# KiCad board 8851_HW-U1-VCU118_REV2-0_071417.kicad_pcb (continued)
## Routing (per net, layer and track width the routed paths; a pad name or vN(x,y) marks a point on that pad's centre or on a via; arc(x,y) is an arc through that point) (continued)
FMCP_HSPC_DP21_C2M_N: length 161.7
  TOP w0.102: J22.Y7 v3(97.75,153.25)
  TOP w0.113: 134.58,84 v2(135.08,84.49)
  03_SIG1 w0.107: 135.26,88.73 135.2,88.67 arc(135.16,88.62) 135.15,88.56 arc(135.08,88.21) 134.88,87.92 134.77,87.8 arc(134.71,87.71) 134.68,87.59 134.68,84.27 arc(134.89,84.31) 134.72,84.2 134.78,84.13 arc(134.82,84.11) 134.86,84.1 134.97,84.1 arc(135.04,84.13) 135.08,84.21 v2(135.08,84.49)
  03_SIG1 w0.15: 135.26,88.73 135.26,97.96 arc(135.29,98.15) 135.4,98.3 arc(135.64,98.66) 135.72,99.09 135.72,101.6 arc(135.78,101.87) 135.93,102.09 136.05,102.21 arc(136.41,102.76) 136.54,103.4 136.54,109.27 arc(136.7,110.08) 137.16,110.77 137.65,111.25 arc(138.07,111.89) 138.22,112.64 138.22,124.89 arc(138.24,124.99) 138.3,125.08 138.63,125.41 arc(138.81,125.53) 139.02,125.58 139.2,125.58 arc(139.87,125.85) 140.14,126.51 arc(140.43,127.21) 141.13,127.5 143,127.5 arc(143.14,127.47) 143.25,127.4 143.43,127.22 arc(143.46,127.18) 143.48,127.15 arc(143.5,127.09) 143.51,127.03 143.51,124.85 arc(144.72,125.35) 144.22,124.14 144.38,124.14 arc(144.92,124.36) 145.14,124.9 145.14,128.47 arc(145.23,128.7) 145.46,128.79 147.8,128.79 arc(148.46,129.45) 147.8,130.11 144.89,130.11 arc(145.21,130.42) 144.89,130.74 146.24,130.74 arc(146.89,131.4) 146.24,132.06 145.46,132.06 arc(146.16,133.75) 144.47,133.05 144.47,133.34 arc(144.53,133.68) 144.72,133.97 145.57,134.82 145.57,134.85 arc(145.69,135.36) 145.46,135.83 145.28,136.01 arc(144.7,136.25) 144.11,136.01 143.95,135.85 arc(143.58,135.6) 143.15,135.51 142.62,135.51 arc(142.32,135.57) 142.06,135.74 141.95,135.85 arc(144.16,137.33) 141.56,136.81 arc(141.39,137.66) 140.91,138.37 140.07,139.21 arc(140.71,139.47) 140.07,139.74 140.49,140.16 arc(140.49,141.16) 139.49,141.16 139.07,140.75 arc(138.8,140.64) 138.54,140.75 129.16,150.13 arc(131,151.36) 128.83,150.93 128.82,151.27 arc(128.58,151.85) 128,152.09 124.24,152.09 arc(123.65,151.84) 123.4,151.25 123.4,150.79 arc(123.32,150.6) 123.14,150.53 122.54,150.53 arc(122.82,151.19) 122.15,150.92 122.15,151.43 arc(122.11,151.64) 121.99,151.82 arc(121.69,152.02) 121.33,152.09 119.25,152.09 arc(118.79,152.18) 118.4,152.44 114.68,156.16 arc(113.83,156.72) 112.83,156.92 110.73,156.92 arc(109.87,156.75) 109.15,156.27 109.09,156.21 arc(108.1,155.55) 106.92,155.31 98.93,155.31 arc(98.4,155.1) 98.19,154.58 98.19,153.51 arc(98.11,153.33) 97.93,153.25 v3(97.75,153.25)
FMCP_HSPC_DP21_C2M_P: length 196.8
  TOP w0.102: J22.Y6 v3(99,153.25)
  TOP w0.113: v2(135.08,83.51) 134.58,83.01
  03_SIG1 w0.107: v2(135.08,83.51) 135.08,83.79 arc(135.04,83.87) 134.97,83.9 134.86,83.9 arc(134.74,83.92) 134.64,83.99 134.57,84.06 arc(135.08,84.39) 134.48,84.27 134.48,87.59 arc(134.52,87.78) 134.63,87.94 134.74,88.06 arc(134.9,88.29) 134.95,88.56 134.95,88.59 arc(134.93,88.68) 134.88,88.76
  03_SIG1 w0.15: 134.88,88.76 134.88,88.89 arc(134.83,89.02) 134.7,89.07 arc(134.8,89.3) 134.56,89.21 134.56,89.53 arc(134.6,89.63) 134.7,89.67 arc(134.83,89.72) 134.88,89.85 134.88,90.09 arc(134.83,90.22) 134.7,90.27 134.67,90.27 arc(134.79,90.57) 134.49,90.45 134.49,90.69 arc(134.54,90.82) 134.67,90.87 134.7,90.87 arc(134.83,90.92) 134.88,91.05 134.88,97.96 arc(136.52,97.64) 135.13,98.57 arc(135.29,98.81) 135.35,99.09 135.35,101.6 arc(137.41,101.19) 135.66,102.36 135.78,102.48 arc(136.07,102.9) 136.16,103.4 136.16,109.27 arc(140.97,108.31) 136.9,111.03 137.38,111.52 arc(137.73,112.03) 137.85,112.64 137.85,124.89 arc(137.9,125.14) 138.03,125.34 138.37,125.68 arc(138.67,125.88) 139.02,125.95 139.2,125.95 arc(139.6,126.12) 139.76,126.51 arc(140.16,127.48) 141.13,127.88 143,127.88 arc(143.28,127.82) 143.52,127.66 143.7,127.48 arc(143.76,127.4) 143.82,127.31 arc(143.87,127.17) 143.89,127.03 143.89,124.85 arc(144.46,125.09) 144.22,124.52 144.38,124.52 arc(144.65,124.63) 144.77,124.9 144.77,128.47 arc(144.97,128.97) 145.46,129.17 147.8,129.17 arc(148.08,129.45) 147.8,129.73 144.89,129.73 arc(145.59,130.42) 144.89,131.12 146.24,131.12 arc(146.52,131.4) 146.24,131.68 145.46,131.68 arc(146.43,134.02) 144.09,133.05 144.09,133.34 arc(146.53,132.86) 144.46,134.24 144.53,134.31 145.2,134.98 arc(145.23,135.01) 145.26,135.05 arc(145.32,135.32) 145.2,135.56 145.02,135.74 arc(144.7,135.87) 144.38,135.74 144.22,135.58 arc(143.73,135.25) 143.15,135.14 142.62,135.14 arc(142.17,135.23) 141.8,135.48 141.69,135.59 arc(144.51,137.47) 141.18,136.81 arc(141.04,137.51) 140.64,138.11 139.81,138.94 arc(141.09,139.47) 139.81,140 140.23,140.42 arc(140.23,140.9) 139.75,140.9 139.33,140.48 arc(138.8,140.26) 138.27,140.48 128.89,149.86 arc(131.35,151.5) 128.45,150.93 128.45,151.27 arc(128.32,151.58) 128,151.71 124.24,151.71 arc(123.91,151.58) 123.78,151.25 123.78,150.79 arc(123.59,150.34) 123.14,150.15 122.54,150.15 arc(123.08,151.46) 121.78,150.92 121.78,151.43 arc(121.76,151.49) 121.72,151.55 arc(121.55,151.67) 121.33,151.71 119.25,151.71 arc(118.65,151.83) 118.13,152.18 114.42,155.89 arc(113.69,156.38) 112.83,156.55 110.73,156.55 arc(110.02,156.41) 109.41,156 109.36,155.95 arc(108.24,155.2) 106.92,154.94 98.93,154.94 arc(98.67,154.83) 98.56,154.58 98.56,153.38 arc(98.79,153.48) 98.69,153.25 v3(99,153.25)
FMCP_HSPC_DP21_M2C_N: length 191.2
  TOP w0.102: J22.M11 v3(92.75,169.5)
  TOP w0.113: 133.6,86.95 v2(134.09,87.44)
  TOP w0.375: v2(139.01,47.09) U1.BA46
  05_SIG2 w0.107: v2(134.09,87.44) 134.09,87.16 arc(134.28,87.24) 134.2,87.05 134.3,87.05 arc(134.42,87.1) 134.47,87.23 134.47,88.4 arc(134.46,88.49) 134.41,88.56 134.4,88.57
  05_SIG2 w0.15: 134.4,88.57 134.4,88.85 arc(134.31,89.26) 134.08,89.6 133.98,89.7 arc(133.79,90) 133.72,90.34 133.72,90.81 arc(133.68,90.92) 133.57,90.96 arc(133.68,91.21) 133.43,91.11 133.43,91.56 arc(133.47,91.67) 133.57,91.71 arc(133.68,91.75) 133.72,91.86 133.72,96.01 arc(133.79,96.4) 134.01,96.72 arc(134.08,96.83) 134.11,96.95 134.11,99.79 arc(133.72,101.73) 132.62,103.38 132.52,103.48 arc(132.44,103.56) 132.36,103.65 arc(138.28,107.2) 131.49,105.96 131.49,109.26 arc(131.74,110.52) 132.46,111.59 arc(132.56,111.75) 132.6,111.93 132.6,113.48 arc(133.64,113.28) 132.76,113.87 arc(133.03,114.27) 133.12,114.75 arc(136.28,114.12) 133.61,115.91 134.88,117.19 arc(135.04,117.42) 135.09,117.69 135.09,125.75 arc(135,126.23) 134.73,126.64 134.31,127.05 arc(133.96,127.58) 133.84,128.2 133.84,128.81 arc(133.76,129.01) 133.56,129.09 132.97,129.09 arc(133.46,130.26) 132.28,129.78 132.28,129.78 arc(132.49,130.27) 132.98,130.48 135.03,130.48 arc(135.31,130.76) 135.03,131.04 133.03,131.04 arc(133.52,132.22) 132.34,131.73 132.34,131.74 arc(132.54,132.23) 133.03,132.43 134.93,132.43 arc(135.07,132.49) 135.12,132.63 135.12,133 arc(135.07,133.14) 134.93,133.2 134.5,133.2 arc(134.96,134.33) 133.84,133.86 133.84,134.1 arc(133.04,138.11) 130.77,141.51 124.59,147.69 arc(123.94,148.12) 123.17,148.27 arc(122.29,148.45) 121.54,148.95 120.47,150.03 arc(122.53,151.4) 120.1,150.92 120.1,151.09 arc(119.88,151.63) 119.34,151.85 119,151.85 arc(118.79,151.89) 118.61,152.01 115.72,154.9 arc(120.15,157.86) 114.93,156.82 114.93,157.22 arc(114.85,157.58) 114.65,157.88 114.54,157.99 108.76,163.77 arc(112.64,166.37) 108.06,165.46 108.06,167.28 arc(107.87,168.23) 107.33,169.05 106.9,169.48 arc(106.35,169.85) 105.7,169.98 95.11,169.98 arc(94.9,169.89) 94.81,169.68 94.81,169.33 arc(94.62,168.88) 94.17,168.69 93.7,168.69 arc(94.06,169.56) 93.19,169.2 93.19,169.35 arc(93.14,169.46) 93.04,169.5 v3(92.75,169.5)
FMCP_HSPC_DP21_M2C_P: length 149.1
  TOP w0.102: J22.M10 v3(94,169.5)
  TOP w0.113: 133.6,85.97 v2(134.09,86.46)
  TOP w0.375: v2(138.03,47.09) U1.BA45
  05_SIG2 w0.107: 134.77,88.57 134.75,88.55 arc(134.7,88.47) 134.68,88.38 arc(135.33,88.32) 134.68,88.34 134.68,87.23 arc(134.56,86.96) 134.3,86.85 134.2,86.85 arc(134.12,86.82) 134.09,86.74 v2(134.09,86.46)
  05_SIG2 w0.15: v3(94,169.5) 93.79,169.5 arc(93.63,169.43) 93.56,169.27 93.56,169.2 arc(93.8,169.3) 93.7,169.06 94.17,169.06 arc(94.36,169.14) 94.44,169.33 94.44,169.68 arc(94.63,170.15) 95.11,170.35 105.7,170.35 arc(106.49,170.19) 107.16,169.74 107.59,169.31 arc(108.22,168.38) 108.44,167.28 108.44,165.46 arc(112.3,166.22) 109.02,164.04 114.16,158.9 114.92,158.14 arc(115.2,157.72) 115.3,157.23 115.3,156.82 arc(115.48,155.92) 115.98,155.17 118.87,152.28 arc(118.93,152.24) 119,152.23 119.34,152.23 arc(120.14,151.89) 120.47,151.09 120.47,150.92 arc(120.54,150.58) 120.73,150.29 121.81,149.22 arc(122.44,148.8) 123.17,148.65 arc(124.08,148.47) 124.85,147.95 131.03,141.78 arc(133.39,138.25) 134.21,134.1 134.21,133.86 arc(134.7,134.06) 134.5,133.58 134.93,133.58 arc(135.33,133.41) 135.5,133 135.5,132.63 arc(135.33,132.22) 134.93,132.05 133.03,132.05 arc(132.81,131.96) 132.71,131.74 132.71,131.73 arc(133.26,131.96) 133.03,131.42 135.03,131.42 arc(135.68,130.76) 135.03,130.1 132.98,130.1 arc(132.75,130.01) 132.66,129.78 132.66,129.78 arc(133.19,130) 132.97,129.47 133.56,129.47 arc(134.02,129.27) 134.21,128.81 134.21,128.2 arc(134.31,127.72) 134.58,127.32 134.99,126.9 arc(135.34,126.38) 135.47,125.75 135.47,117.69 arc(135.39,117.28) 135.15,116.92 133.87,115.65 arc(135.93,114.27) 133.5,114.75 arc(133.38,114.13) 133.02,113.6 arc(133.3,113.42) 132.97,113.48 132.97,111.93 arc(132.91,111.6) 132.72,111.33 arc(132.09,110.38) 131.87,109.26 131.87,105.96 arc(132.07,104.86) 132.65,103.89 arc(132.71,103.82) 132.79,103.74 132.89,103.64 arc(134.07,101.88) 134.48,99.79 134.48,96.95 arc(134.43,96.68) 134.28,96.46 arc(134.14,96.25) 134.09,96.01 134.09,91.92 134.09,90.34 arc(135.11,90.54) 134.25,89.97 134.35,89.87 arc(134.66,89.4) 134.77,88.85 134.77,88.57
FMCP_HSPC_DP22_C2M_N: length 188.5
  TOP w0.102: J22.Z5 v3(100.25,154.5)
  TOP w0.113: 132.62,84 v2(133.11,84.49)
  03_SIG1 w0.107: v2(133.11,84.49) 133.11,84.21 arc(133.29,84.28) 133.21,84.1 133.35,84.1 arc(133.39,84.11) 133.42,84.13 133.47,84.18 arc(133.49,84.21) 133.5,84.25 133.5,87.95 arc(133.48,88.06) 133.41,88.16
  03_SIG1 w0.15: 133.41,88.16 133.41,89.87 arc(133.35,90.03) 133.19,90.09 133.04,90.09 arc(133.52,91.24) 132.37,90.76 132.37,90.79 arc(132.57,91.28) 133.06,91.48 133.43,91.48 arc(133.72,91.76) 133.43,92.04 132.88,92.04 arc(133.24,92.92) 132.37,92.56 132.37,92.74 arc(132.57,93.23) 133.06,93.43 133.43,93.43 arc(133.71,93.71) 133.43,93.99 132.88,93.99 arc(133.24,94.87) 132.37,94.51 132.37,94.69 arc(132.57,95.18) 133.06,95.38 133.49,95.38 arc(133.55,95.39) 133.61,95.43 arc(133.69,95.56) 133.72,95.71 133.72,96.59 arc(133.7,96.7) 133.64,96.8 133.37,97.07 arc(135.08,98.22) 133.06,97.82 133.06,98.06 arc(133.13,98.43) 133.35,98.75 133.65,99.06 arc(133.82,99.31) 133.88,99.62 133.88,102.74 arc(136.72,102.17) 134.31,103.78 134.44,103.9 arc(134.77,104.4) 134.89,104.99 134.89,107.43 arc(134.82,107.78) 134.62,108.09 134.49,108.21 arc(136.69,109.67) 134.1,109.16 134.1,110.85 arc(138.89,109.9) 134.83,112.62 arc(134.99,112.85) 135.04,113.13 135.04,123.53 arc(135.15,124.06) 135.45,124.51 136.64,125.7 arc(136.87,126.04) 136.95,126.44 136.95,128.92 arc(137.18,129.49) 137.75,129.73 138.05,129.73 arc(138.3,129.68) 138.51,129.54 arc(138.67,129.3) 138.72,129.02 138.72,128.6 arc(139.21,128.8) 139.01,128.31 arc(139.37,128.38) 139.67,128.58 140.79,129.7 arc(140.91,129.87) 140.95,130.09 140.95,130.78 arc(140.86,131) 140.64,131.09 140.28,131.09 arc(140.1,131.01) 140.03,130.83 140.03,130.47 arc(139.84,130.03) 139.41,129.85 139.23,129.85 arc(139.76,131.12) 138.49,130.59 138.49,130.68 arc(138.41,130.88) 138.21,130.96 137.8,130.96 arc(138.49,131.66) 137.8,132.35 140.67,132.35 arc(141.06,132.52) 141.23,132.91 141.23,133 arc(141.12,133.26) 140.86,133.37 137.71,133.37 arc(138.15,134.43) 137.09,133.99 137.09,137.19 arc(138.71,136.87) 137.34,137.79 arc(137.78,137.97) 138.22,137.79 138.51,137.5 arc(138.66,137.28) 138.71,137.01 138.71,135.19 arc(139.24,135.41) 139.02,134.88 139.22,134.88 arc(139.47,134.98) 139.57,135.22 139.57,137.09 arc(139.5,137.42) 139.31,137.7 133.12,143.9 arc(132.97,143.99) 132.81,144.03 arc(132.8,144.03) 132.8,144.03 arc(132.37,144.12) 132,144.36 128.27,148.1 arc(127.35,148.71) 126.27,148.92 122.56,148.92 arc(122.3,148.82) 122.19,148.55 122.19,148.43 arc(121.97,147.91) 121.45,147.69 121.32,147.69 arc(120.99,147.76) 120.72,147.94 113.56,155.1 arc(113.51,155.14) 113.45,155.17 113.08,155.3 arc(113.03,155.32) 112.99,155.32 112.89,155.32 arc(112.8,155.28) 112.75,155.18 112.75,154.15 arc(112.06,154.84) 111.37,154.15 111.37,155.04 arc(111.28,155.24) 111.09,155.32 110.78,155.32 arc(110.69,155.3) 110.62,155.25 arc(111.4,154.73) 110.48,154.91 110.48,154.31 arc(110.29,153.87) 109.86,153.69 101.36,153.69 arc(101,153.84) 100.84,154.19 100.83,154.19 100.82,154.35 arc(100.77,154.46) 100.66,154.5 v3(100.25,154.5)
FMCP_HSPC_DP22_C2M_P: length 172.9
  TOP w0.102: J22.Z4 v3(101.5,154.5)
  TOP w0.113: v2(133.11,83.51) 132.62,83.01
  03_SIG1 w0.107: v2(133.11,83.51) 133.11,83.79 arc(133.14,83.87) 133.21,83.9 133.35,83.9 arc(133.46,83.92) 133.56,83.99 133.61,84.03 arc(133.68,84.13) 133.7,84.25 133.7,87.95 arc(134.27,87.84) 133.79,88.16
  03_SIG1 w0.15: 133.79,88.16 133.79,89.87 arc(133.61,90.29) 133.19,90.47 133.04,90.47 arc(133.25,90.97) 132.75,90.76 132.75,90.79 arc(132.84,91.01) 133.06,91.11 133.43,91.11 arc(134.09,91.76) 133.43,92.42 132.88,92.42 arc(132.98,92.65) 132.75,92.56 132.75,92.74 arc(132.84,92.96) 133.06,93.06 133.43,93.06 arc(134.08,93.71) 133.43,94.37 132.88,94.37 arc(132.98,94.6) 132.75,94.51 132.75,94.69 arc(132.84,94.91) 133.06,95.01 133.49,95.01 arc(133.7,95.05) 133.88,95.17 arc(134.04,95.41) 134.1,95.71 134.1,96.59 arc(134.05,96.85) 133.9,97.06 133.63,97.34 arc(133.48,97.56) 133.43,97.82 133.43,98.06 arc(133.48,98.29) 133.61,98.49 133.92,98.79 arc(134.17,99.17) 134.26,99.62 134.26,102.74 arc(136.37,102.32) 134.58,103.52 134.7,103.64 arc(135.12,104.26) 135.26,104.99 135.26,107.43 arc(135.16,107.93) 134.88,108.35 134.76,108.47 arc(134.55,108.79) 134.48,109.16 134.48,110.85 arc(138.55,110.04) 135.1,112.35 arc(135.33,112.71) 135.42,113.13 135.42,123.53 arc(137.36,123.14) 135.71,124.24 136.91,125.43 arc(137.21,125.9) 137.32,126.44 137.32,128.92 arc(137.45,129.23) 137.75,129.35 138.05,129.35 arc(138.15,129.33) 138.24,129.27 arc(138.32,129.15) 138.35,129.02 138.35,128.6 arc(139.48,129.06) 139.01,127.93 arc(139.51,128.03) 139.94,128.32 141.05,129.43 arc(141.25,129.73) 141.32,130.09 141.32,130.78 arc(141.12,131.27) 140.64,131.47 140.28,131.47 arc(139.84,131.28) 139.65,130.83 139.65,130.47 arc(139.58,130.29) 139.41,130.22 139.23,130.22 arc(139.49,130.85) 138.86,130.59 138.86,130.68 arc(138.67,131.15) 138.21,131.34 137.8,131.34 arc(138.12,131.66) 137.8,131.98 140.67,131.98 arc(141.33,132.25) 141.6,132.91 141.6,133 arc(141.38,133.53) 140.86,133.75 137.71,133.75 arc(137.89,134.17) 137.47,133.99 137.47,137.2 arc(137.5,137.37) 137.6,137.52 arc(137.78,137.6) 137.95,137.52 138.24,137.24 arc(138.31,137.13) 138.33,137.01 138.33,135.19 arc(139.51,135.67) 139.02,134.5 139.22,134.5 arc(139.73,134.71) 139.94,135.22 139.94,137.09 arc(139.85,137.56) 139.58,137.97 133.38,144.17 arc(133.12,144.34) 132.81,144.4 132.8,144.4 arc(132.51,144.46) 132.27,144.63 128.53,148.36 arc(127.49,149.06) 126.27,149.3 122.56,149.3 arc(122.03,149.08) 121.81,148.55 121.81,148.43 arc(121.71,148.17) 121.45,148.07 121.32,148.07 arc(121.14,148.1) 120.98,148.2 113.82,155.37 arc(113.71,155.45) 113.59,155.52 113.21,155.65 arc(113.1,155.69) 112.99,155.7 112.89,155.7 arc(112.53,155.54) 112.38,155.18 112.38,154.15 arc(112.06,154.47) 111.74,154.15 111.74,155.04 arc(111.55,155.5) 111.09,155.7 110.78,155.7 arc(110.55,155.65) 110.35,155.52 arc(110.32,155.49) 110.29,155.46 arc(111.38,154.73) 110.1,154.99 110.1,154.31 arc(110.03,154.14) 109.86,154.06 101.36,154.06 arc(101.26,154.11) 101.22,154.2 arc(101.21,154.21) 101.21,154.21 101.21,154.3 arc(101.27,154.44) 101.42,154.5 v3(101.5,154.5)
FMCP_HSPC_DP22_M2C_N: length 219.3
  TOP w0.102: J22.M7 v3(97.75,169.5)
  TOP w0.113: 131.63,86.95 v2(132.12,87.44)
  05_SIG2 w0.107: v2(132.12,87.44) 132.12,87.16 arc(132.31,87.24) 132.23,87.05 132.3,87.05 arc(132.6,86.93) 132.72,86.63 132.72,86.27 arc(132.61,85.98) 132.32,85.86 129.96,85.86 arc(130.26,86.57) 129.55,86.27 129.55,88.05 arc(130.28,87.9) 129.66,88.32 arc(129.69,88.36) 129.7,88.41 129.7,88.8 arc(129.68,88.92) 129.61,89.02 129.61,89.04
  05_SIG2 w0.15: v3(97.75,169.5) 97.88,169.37 arc(98.11,169.03) 98.19,168.64 98.19,163.59 98.19,163.17 arc(99.39,163.41) 98.37,162.73 98.48,162.62 arc(98.68,162.49) 98.92,162.44 105.79,162.44 arc(105.89,162.42) 105.97,162.37 106.31,162.02 arc(106.37,161.94) 106.39,161.84 106.39,159.34 arc(110.68,160.19) 107.04,157.76 108.49,156.3 arc(109.25,155.8) 110.14,155.62 110.26,155.62 arc(110.73,155.53) 111.14,155.26 111.67,154.73 arc(111.75,154.53) 111.67,154.33 111.14,153.81 arc(112.33,153.32) 111.14,152.83 arc(111.63,152.63) 112.12,152.83 112.65,153.35 arc(113.04,153.35) 113.04,152.96 112.52,152.43 arc(113.71,151.94) 112.52,151.45 arc(113.01,151.25) 113.5,151.45 114.03,151.97 arc(114.42,151.97) 114.42,151.58 113.9,151.05 arc(115.08,150.56) 113.9,150.07 arc(114.39,149.87) 114.88,150.07 115.4,150.6 arc(115.8,150.6) 115.8,150.2 115.28,149.67 arc(116.46,149.18) 115.28,148.69 arc(115.77,148.49) 116.26,148.69 116.78,149.22 arc(117.18,149.22) 117.18,148.82 116.66,148.3 arc(117.84,147.81) 116.66,147.31 arc(117.15,147.11) 117.64,147.31 118.16,147.84 arc(118.36,147.92) 118.56,147.84 119.17,147.22 arc(119.77,146.34) 119.97,145.29 119.97,142.46 arc(126.05,143.67) 120.9,140.23 121.24,139.89 arc(122.04,138.69) 122.32,137.28 122.32,134.28 arc(125.92,134.99) 122.87,132.95 122.87,132.95 arc(123.34,132.63) 123.89,132.53 126.25,132.53 arc(126.4,132.46) 126.46,132.31 126.46,131.91 arc(126.44,131.82) 126.39,131.74 125.91,131.26 125.29,130.64 arc(126.57,130.11) 125.29,129.58 126.71,128.16 arc(126.85,127.95) 126.9,127.71 126.9,125.86 arc(128.04,126.08) 127.07,125.44 arc(128.37,123.5) 128.82,121.21 128.82,118.69 arc(133.82,119.69) 129.58,116.86 129.96,116.48 arc(130.19,116.14) 130.28,115.72 130.28,115.16 arc(130.25,115.04) 130.18,114.94 arc(129.97,114.62) 129.9,114.25 129.9,112.96 arc(129.88,112.84) 129.81,112.74 arc(135.03,109.25) 128.87,110.48 128.87,104.13 arc(132.55,104.86) 129.43,102.78 129.51,102.71 arc(129.63,102.52) 129.68,102.3 129.68,101.44 arc(129.66,101.34) 129.62,101.25 arc(130.48,100.67) 129.46,100.87 129.46,89.67 arc(129.5,89.47) 129.61,89.31 129.61,89.3 129.61,89.04
FMCP_HSPC_DP22_M2C_P: length 182.9
  TOP w0.102: J22.M6 v3(99,169.5)
  TOP w0.113: 131.63,85.97 v2(132.12,86.46)
  05_SIG2 w0.107: 129.99,89.04 129.99,89.02 arc(130.47,88.69) 129.9,88.8 129.9,88.41 arc(129.87,88.29) 129.8,88.18 arc(130.1,87.98) 129.75,88.05 129.75,86.27 arc(130.12,86.43) 129.96,86.06 132.32,86.06 arc(132.46,86.12) 132.53,86.27 132.53,86.63 arc(132.46,86.79) 132.3,86.85 132.23,86.85 arc(132.15,86.82) 132.12,86.74 v2(132.12,86.46)
  05_SIG2 w0.15: v3(99,169.5) 98.71,169.5 arc(98.61,169.46) 98.56,169.35 98.56,163.59 98.56,163.59 98.56,163.17 arc(99.04,163.27) 98.64,163 98.75,162.89 arc(98.83,162.83) 98.92,162.81 105.79,162.81 arc(106.03,162.77) 106.23,162.63 106.58,162.28 arc(106.71,162.08) 106.76,161.84 106.76,159.34 arc(110.33,160.05) 107.31,158.02 108.76,156.57 arc(109.39,156.15) 110.14,156 110.26,156 arc(110.88,155.87) 111.41,155.52 111.93,155 arc(112.12,154.53) 111.93,154.07 111.41,153.55 arc(111.95,153.32) 111.41,153.1 arc(111.63,153) 111.86,153.1 112.38,153.62 arc(113.31,153.62) 113.31,152.69 112.79,152.17 arc(113.33,151.94) 112.79,151.72 arc(113.01,151.62) 113.24,151.72 113.76,152.24 arc(114.69,152.24) 114.69,151.31 114.16,150.79 arc(114.71,150.56) 114.16,150.34 arc(114.39,150.24) 114.62,150.34 115.14,150.86 arc(116.07,150.86) 116.07,149.93 115.54,149.41 arc(116.09,149.18) 115.54,148.96 arc(115.77,148.87) 115.99,148.96 116.52,149.48 arc(117.45,149.48) 117.45,148.55 116.92,148.03 arc(117.47,147.81) 116.92,147.58 arc(117.15,147.49) 117.37,147.58 117.9,148.1 arc(118.36,148.3) 118.82,148.1 119.44,147.49 arc(120.11,146.48) 120.35,145.29 120.35,142.46 arc(120.56,141.39) 121.17,140.49 121.5,140.15 arc(122.39,138.83) 122.69,137.28 122.69,134.28 arc(125.57,134.85) 123.13,133.22 123.14,133.21 arc(123.48,132.98) 123.89,132.9 126.25,132.9 arc(126.67,132.73) 126.84,132.31 126.84,132.06 arc(126.81,131.73) 126.64,131.45 125.56,130.38 arc(126.2,130.11) 125.56,129.85 126.98,128.43 arc(127.2,128.1) 127.28,127.71 127.28,125.86 arc(127.69,125.94) 127.34,125.71 arc(128.72,123.64) 129.2,121.21 129.2,118.69 arc(133.47,119.54) 129.85,117.12 130.23,116.75 arc(130.54,116.28) 130.65,115.72 130.65,115.16 arc(130.6,114.9) 130.45,114.67 arc(130.32,114.48) 130.28,114.25 130.28,112.96 arc(130.22,112.7) 130.07,112.47 arc(134.69,109.39) 129.25,110.48 129.25,104.13 arc(132.2,104.72) 129.7,103.05 129.77,102.97 arc(129.98,102.66) 130.05,102.3 130.05,101.37 arc(130.01,101.18) 129.9,101.01 arc(129.85,100.91) 129.84,100.8 129.84,93.44 arc(130.1,93.55) 129.99,93.29 arc(130.1,93.24) 130.15,93.13 130.15,92.84 arc(130.1,92.73) 129.99,92.69 arc(129.88,92.64) 129.84,92.53 129.84,92.24 arc(130.1,92.35) 129.99,92.09 arc(130.1,92.04) 130.15,91.93 130.15,91.64 arc(130.1,91.53) 129.99,91.49 arc(129.88,91.44) 129.84,91.33 129.84,89.67 arc(129.85,89.62) 129.88,89.58 arc(129.96,89.45) 129.99,89.3 129.99,89.04
FMCP_HSPC_DP23_C2M_N: length 188.3
  TOP w0.102: J22.Y3 v3(102.75,153.25)
  TOP w0.113: 130.65,84 v2(131.14,84.49)
  03_SIG1 w0.107: v2(131.14,84.49) 131.14,84.21 arc(131.32,84.28) 131.25,84.1 131.4,84.1 arc(131.44,84.11) 131.48,84.13 131.5,84.15 arc(131.52,84.19) 131.53,84.23 131.53,87.73 arc(131.51,87.84) 131.44,87.94
  03_SIG1 w0.15: v3(102.75,153.25) 103.01,153.25 arc(103.15,153.22) 103.28,153.14 arc(103.33,153.07) 103.34,152.98 103.34,152.86 arc(104.54,152.9) 103.35,152.79 arc(103.54,152.41) 103.94,152.26 114.23,152.26 arc(114.63,152.18) 114.96,151.96 120.62,146.3 arc(120.98,146.06) 121.4,145.98 122.35,145.98 arc(122.81,146.17) 123.01,146.63 123.01,147.2 arc(123.16,147.57) 123.53,147.73 125.51,147.73 arc(126.6,147.51) 127.52,146.9 130.71,143.7 131.83,142.58 133.81,140.6 arc(133.88,140.43) 133.81,140.27 133.66,140.12 arc(134.84,139.63) 133.66,139.14 arc(134.15,138.93) 134.64,139.14 135.19,139.68 arc(135.39,139.77) 135.59,139.68 136.38,138.89 arc(136.42,138.84) 136.43,138.78 136.43,138.59 arc(136.37,138.43) 136.21,138.37 134.22,138.37 arc(134.91,137.68) 134.22,136.98 135.41,136.98 arc(135.69,136.7) 135.41,136.42 134.22,136.42 arc(134.91,135.73) 134.22,135.03 135.41,135.03 arc(135.69,134.75) 135.41,134.47 134.22,134.47 arc(134.91,133.78) 134.22,133.08 135.41,133.08 arc(135.69,132.8) 135.41,132.52 134.22,132.52 arc(134.91,131.83) 134.22,131.13 135.41,131.13 arc(135.69,130.85) 135.41,130.57 133.87,130.57 arc(133.6,130.52) 133.37,130.36 arc(134.93,129.32) 133.09,129.69 133.09,127.72 arc(134.73,128.05) 133.34,127.12 arc(133.82,126.92) 134.29,127.12 134.4,127.23 arc(134.5,127.37) 134.53,127.55 134.53,128.88 arc(134.62,129.09) 134.83,129.18 135.41,129.18 arc(135.6,129.1) 135.69,128.9 135.69,126.59 arc(135.66,126.45) 135.58,126.33 134.35,125.1 arc(136.83,123.45) 133.91,124.03 133.91,123.91 arc(133.88,123.78) 133.81,123.67 133.79,123.65 arc(133.44,123.51) 133.1,123.65 arc(133.77,124.1) 132.98,123.94 132.98,124.73 arc(132.91,125.07) 132.72,125.36 arc(132.26,125.55) 131.81,125.36 arc(133.58,124.18) 131.5,124.59 131.5,122.93 arc(133.04,123.23) 131.73,122.36 arc(131.93,122.23) 132.17,122.18 133.63,122.18 arc(133.8,122.11) 133.87,121.94 133.87,115.67 arc(133.75,115.06) 133.4,114.54 132.77,113.92 arc(134.82,112.54) 132.4,113.03 132.4,111.08 arc(132.49,110.65) 132.73,110.29 arc(132.8,110.18) 132.83,110.04 132.83,109.01 arc(132.75,108.81) 132.55,108.73 131.54,108.73 arc(132.23,108.03) 131.54,107.34 132.62,107.34 arc(132.9,107.06) 132.62,106.78 131.54,106.78 arc(132.23,106.08) 131.54,105.39 132.58,105.39 arc(132.91,105.32) 133.19,105.14 133.23,105.09 arc(133.36,104.8) 133.23,104.5 arc(133.02,104.36) 132.77,104.31 132.04,104.31 arc(131.69,104.24) 131.4,104.04 131.28,103.92 arc(132.88,102.85) 130.99,103.23 130.99,103.06 arc(132.5,103.69) 131.88,102.18 132.09,102.18 arc(132.29,102.09) 132.37,101.9 132.37,101.8 arc(132.32,101.67) 132.19,101.61 131.88,101.61 arc(131.39,101.41) 131.18,100.92 131.18,89.05 arc(131.24,88.78) 131.39,88.55 arc(131.43,88.49) 131.44,88.43 131.44,87.94
FMCP_HSPC_DP23_C2M_P: length 167
  TOP w0.102: v3(104,153.25) J22.Y2
  TOP w0.113: v2(131.14,83.51) 130.65,83.01
  03_SIG1 w0.107: v2(131.14,83.51) 131.14,83.79 arc(131.17,83.87) 131.25,83.9 131.4,83.9 arc(131.52,83.92) 131.62,83.99 131.64,84.01 arc(131.71,84.11) 131.73,84.23 131.73,87.73 arc(132.31,87.61) 131.82,87.94
  03_SIG1 w0.15: v3(104,153.25) 103.79,153.04 arc(104.21,152.78) 103.72,152.84 arc(103.79,152.69) 103.94,152.64 114.23,152.64 arc(114.77,152.53) 115.23,152.22 120.88,146.57 arc(121.12,146.41) 121.4,146.35 122.35,146.35 arc(122.55,146.44) 122.63,146.63 122.63,147.2 arc(122.89,147.84) 123.53,148.1 125.51,148.1 arc(126.74,147.86) 127.78,147.16 130.97,143.97 132.1,142.84 134.08,140.86 arc(134.26,140.43) 134.08,140.01 133.92,139.85 arc(134.47,139.63) 133.92,139.4 arc(134.15,139.31) 134.38,139.4 134.92,139.95 arc(135.39,140.14) 135.85,139.95 136.65,139.15 arc(136.76,138.98) 136.8,138.78 136.8,138.59 arc(136.63,138.17) 136.21,137.99 134.22,137.99 arc(134.54,137.68) 134.22,137.36 135.41,137.36 arc(136.06,136.7) 135.41,136.04 134.22,136.04 arc(134.54,135.73) 134.22,135.41 135.41,135.41 arc(136.06,134.75) 135.41,134.09 134.22,134.09 arc(134.54,133.78) 134.22,133.46 135.41,133.46 arc(136.06,132.8) 135.41,132.14 134.22,132.14 arc(134.54,131.83) 134.22,131.51 135.41,131.51 arc(136.06,130.85) 135.41,130.19 133.87,130.19 arc(133.75,130.17) 133.64,130.1 arc(134.59,129.46) 133.47,129.69 133.47,127.72 arc(134.39,127.9) 133.61,127.38 arc(133.82,127.3) 134.03,127.38 134.13,127.49 arc(134.15,127.52) 134.16,127.55 134.16,128.88 arc(134.36,129.36) 134.83,129.56 135.41,129.56 arc(135.87,129.36) 136.06,128.9 136.06,126.59 arc(136.01,126.3) 135.85,126.07 135.06,125.28 134.62,124.84 arc(136.48,123.59) 134.28,124.03 134.28,123.91 arc(134.23,123.64) 134.08,123.41 134.05,123.39 arc(133.44,123.13) 132.83,123.39 arc(134.12,124.25) 132.6,123.94 132.6,124.73 arc(132.56,124.93) 132.45,125.1 arc(132.26,125.17) 132.08,125.1 arc(131.92,124.86) 131.87,124.59 131.87,122.93 arc(132.69,123.09) 132,122.62 arc(132.07,122.57) 132.17,122.55 133.63,122.55 arc(134.06,122.37) 134.24,121.94 134.24,115.67 arc(134.09,114.92) 133.67,114.28 133.04,113.65 arc(132.85,113.36) 132.78,113.03 132.78,111.08 arc(134.19,111.36) 132.99,110.56 arc(133.15,110.32) 133.21,110.04 133.21,109.01 arc(133.01,108.55) 132.55,108.35 131.54,108.35 arc(131.86,108.03) 131.54,107.72 132.62,107.72 arc(133.28,107.06) 132.62,106.4 131.54,106.4 arc(131.86,106.08) 131.54,105.77 132.58,105.77 arc(133.05,105.67) 133.45,105.4 133.5,105.36 arc(133.73,104.8) 133.5,104.23 arc(133.16,104.01) 132.77,103.93 132.04,103.93 arc(131.83,103.89) 131.66,103.78 131.54,103.66 arc(131.41,103.46) 131.37,103.23 131.37,103.06 arc(132.24,103.42) 131.88,102.55 132.09,102.55 arc(132.56,102.36) 132.75,101.9 132.75,101.8 arc(132.59,101.4) 132.19,101.24 131.88,101.24 arc(131.65,101.15) 131.56,100.92 131.56,89.05 arc(131.58,88.92) 131.66,88.81 arc(131.78,88.64) 131.82,88.43 131.82,87.94
FMCP_HSPC_DP23_M2C_N: length 149.8
  TOP w0.102: J22.M3 v3(102.75,169.5)
  TOP w0.113: 129.66,86.95 v2(130.15,87.44)
  05_SIG2 w0.107: 131.44,88.27 131.44,88.24 arc(131.5,88.14) 131.53,88.03 131.53,87.27 arc(131.46,87.12) 131.3,87.05 130.26,87.05 arc(130.34,87.24) 130.15,87.16 v2(130.15,87.44)
  05_SIG2 w0.15: 131.44,88.27 131.44,88.42 arc(131.4,88.62) 131.28,88.79 131.22,88.85 arc(131.05,89.11) 130.99,89.42 130.99,90.16 arc(130.95,90.25) 130.86,90.29 arc(130.95,90.51) 130.72,90.42 130.72,90.76 arc(130.76,90.85) 130.86,90.89 arc(130.95,90.93) 130.99,91.02 130.99,100.6 arc(133.27,100.14) 131.33,101.44 131.34,101.44 arc(131.41,101.52) 131.47,101.62 arc(131.54,101.72) 131.56,101.84 131.56,102.03 arc(131.5,102.33) 131.33,102.59 130.93,102.98 arc(130.47,103.67) 130.31,104.49 130.31,110.36 arc(130.51,111.34) 131.06,112.17 131.08,112.19 arc(131.34,112.57) 131.43,113.01 131.43,114.41 arc(131.66,115.61) 132.34,116.62 132.61,116.89 arc(133.49,118.21) 133.8,119.76 133.8,124.01 arc(133.74,124.3) 133.57,124.55 arc(133.39,124.67) 133.18,124.71 132.19,124.71 arc(131.83,124.78) 131.53,124.98 131.37,125.15 arc(132.93,126.19) 131.09,125.83 131.09,126.67 arc(131.29,127.16) 131.78,127.36 131.78,127.36 arc(132.06,127.65) 131.78,127.93 131.58,127.93 arc(131.92,128.76) 131.09,128.42 131.09,129.44 arc(130.99,129.67) 130.75,129.77 128.65,129.77 arc(129.4,130.52) 128.65,131.27 130.75,131.27 arc(131.09,131.61) 130.75,131.95 128.65,131.95 arc(129.4,132.7) 128.65,133.45 130.75,133.45 arc(130.99,133.55) 131.09,133.79 131.09,134.16 arc(131.05,134.37) 130.93,134.55 arc(130.87,134.59) 130.8,134.6 129.81,134.6 arc(130.34,135.88) 129.06,135.35 129.06,139.44 arc(128.87,140.37) 128.34,141.16 127.89,141.62 arc(127.63,141.79) 127.33,141.85 127.15,141.85 arc(126.33,142.01) 125.63,142.48 124.97,143.14 arc(126.25,143.67) 124.97,144.2 arc(125.04,144.37) 124.97,144.54 124.84,144.68 arc(124.67,144.75) 124.5,144.68 arc(124.5,145.74) 123.44,145.74 123.67,145.97 arc(123.75,146.16) 123.67,146.34 123.62,146.4 arc(123.38,146.5) 123.14,146.4 122.96,146.21 arc(122.43,145.99) 121.9,146.21 114.53,153.58 arc(113.96,154.43) 113.76,155.43 113.76,155.55 arc(113.49,156.93) 112.7,158.1 112.18,158.63 arc(111.94,158.73) 111.7,158.63 110.65,157.58 arc(110.12,157.36) 109.59,157.58 arc(110.87,158.11) 109.59,158.64 109.99,159.05 arc(110.36,159.93) 109.99,160.81 108.87,161.94 arc(108.67,162.08) 108.43,162.12 arc(108.17,162.18) 107.94,162.32 106.16,164.11 arc(108.28,165.52) 105.78,165.03 105.78,168.24 arc(105.76,168.34) 105.7,168.42 105.5,168.62 arc(105.42,168.67) 105.33,168.69 103.7,168.69 arc(104.06,169.56) 103.19,169.2 103.19,169.35 arc(103.14,169.46) 103.04,169.5 v3(102.75,169.5)
FMCP_HSPC_DP23_M2C_P: length 141.3
  TOP w0.102: v3(104,169.5) J22.M2
  TOP w0.113: 129.66,85.97 v2(130.15,86.46)
  05_SIG2 w0.107: v2(130.15,86.46) 130.15,86.74 arc(130.19,86.82) 130.26,86.85 131.3,86.85 arc(131.6,86.98) 131.72,87.27 131.72,88.03 arc(132.3,87.91) 131.81,88.24 131.81,88.27
  05_SIG2 w0.15: 131.81,88.27 131.81,88.42 arc(131.74,88.76) 131.55,89.06 131.49,89.12 arc(132.2,89.59) 131.36,89.42 131.36,100.6 arc(132.92,100.29) 131.6,101.17 131.6,101.17 arc(131.71,101.3) 131.8,101.44 arc(131.91,101.72) 131.94,102.03 arc(131.85,102.48) 131.6,102.85 131.2,103.25 arc(130.82,103.82) 130.69,104.49 130.69,110.36 arc(130.85,111.19) 131.32,111.9 131.35,111.92 arc(131.68,112.42) 131.8,113.01 131.8,114.41 arc(132.01,115.46) 132.61,116.36 132.88,116.62 arc(133.84,118.06) 134.18,119.76 134.18,124.01 arc(134.09,124.44) 133.84,124.82 arc(133.54,125.02) 133.18,125.09 132.19,125.09 arc(131.98,125.13) 131.8,125.25 131.63,125.41 arc(132.58,126.05) 131.46,125.83 131.46,126.67 arc(131.56,126.9) 131.78,126.99 131.78,126.99 arc(132.44,127.65) 131.78,128.3 131.58,128.3 arc(131.66,128.5) 131.46,128.42 131.46,129.44 arc(131.25,129.94) 130.75,130.15 128.65,130.15 arc(129.03,130.52) 128.65,130.9 130.75,130.9 arc(131.46,131.61) 130.75,132.32 128.65,132.32 arc(129.03,132.7) 128.65,133.07 130.75,133.07 arc(131.25,133.28) 131.46,133.79 131.46,134.16 arc(131.39,134.51) 131.19,134.82 arc(131.01,134.93) 130.8,134.97 129.81,134.97 arc(130.07,135.62) 129.43,135.35 129.43,139.44 arc(129.22,140.52) 128.61,141.43 128.15,141.88 arc(127.78,142.14) 127.33,142.23 127.15,142.23 arc(126.47,142.36) 125.9,142.74 125.24,143.4 arc(125.88,143.67) 125.24,143.93 arc(125.42,144.37) 125.24,144.81 125.11,144.94 arc(124.67,145.12) 124.23,144.94 arc(124.23,145.47) 123.7,145.47 123.94,145.71 arc(124.12,146.16) 123.94,146.61 123.88,146.66 arc(123.38,146.87) 122.88,146.66 122.69,146.48 arc(122.43,146.37) 122.16,146.48 114.8,153.85 arc(114.31,154.57) 114.14,155.43 114.14,155.55 arc(113.83,157.08) 112.97,158.37 112.44,158.9 arc(111.94,159.11) 111.43,158.9 110.39,157.85 arc(110.12,157.74) 109.86,157.85 arc(110.5,158.11) 109.86,158.38 110.26,158.78 arc(110.74,159.93) 110.26,161.08 109.13,162.21 arc(108.81,162.42) 108.43,162.5 arc(108.31,162.52) 108.21,162.59 106.42,164.38 arc(107.93,165.38) 106.15,165.03 106.15,168.24 arc(106.1,168.48) 105.97,168.68 105.77,168.88 arc(105.57,169.02) 105.33,169.06 103.7,169.06 arc(103.8,169.3) 103.56,169.2 103.56,169.35 arc(103.61,169.46) 103.71,169.5 v3(104,169.5)
FMCP_HSPC_GBT0_0_C_N: length 3.4
  TOP w0.102: C207.1 123.95,119.44 122.66,119.44 122.15,119.95 121.44,119.95
FMCP_HSPC_GBT0_0_C_P: length 3.4
  TOP w0.102: C16.1 123.95,119.21 122.61,119.21 122.1,118.7 121.44,118.7
FMCP_HSPC_GBT0_0_N: length 47.6
  TOP w0.102: v2(123.26,80.55) 122.77,80.06 ; C207.2 126.14,119.95 v3(126.32,119.77)
  05_SIG2 w0.092: v2(123.26,80.55) 123.26,80.36 123.48,80.15 126.48,80.15 126.64,80.31 126.64,82.9 126.6,82.94 126.6,85.9 126.65,85.95 126.65,88.08 126.51,88.22 126.51,88.62 126.46,88.67 126.46,88.69
  05_SIG2 w0.133: 126.46,88.69 126.46,95.72 125.15,97.03 125.15,99.42 125.4,99.67 125.4,105.13 124.01,106.52 124.01,118.26 125.29,119.54 126.08,119.54 v3(126.32,119.77)
FMCP_HSPC_GBT0_0_P: length 47.6
  TOP w0.102: v3(126.32,118.88) 126.14,118.7 C16.2 ; v2(123.26,79.57) 122.77,79.08
  05_SIG2 w0.092: 126.73,88.69 126.73,88.67 126.68,88.62 126.68,88.29 126.82,88.15 126.82,85.87 126.78,85.83 126.78,83.01 126.82,82.97 126.82,80.24 126.55,79.97 123.36,79.97 123.26,79.88 v2(123.26,79.57)
  05_SIG2 w0.133: 126.73,88.69 126.73,95.83 125.42,97.15 125.42,99.31 125.67,99.56 125.67,105.25 124.28,106.64 124.28,118.14 125.41,119.27 125.93,119.27 v3(126.32,118.88)
FMCP_HSPC_GBT0_1_C_N: length 5.9
  TOP w0.102: 121.44,122.45 122.17,122.45 122.69,121.94 123.95,121.94 C209.1
  TOP w0.375: U40.4 v3(118.1,118.7)
  BOTTOM w0.375: v3(118.1,118.7) 118.08,118.68 117.2,118.68
FMCP_HSPC_GBT0_1_C_P: length 3.4
  TOP w0.102: 121.44,121.2 122.12,121.2 122.64,121.71 123.95,121.71 C208.1
FMCP_HSPC_GBT0_1_N: length 65.9
  TOP w0.102: 110.96,80.06 v2(110.47,80.55) ; v3(126.32,122.27) 126.14,122.45 C209.2
  TOP w0.375: v2(132.12,70.71) U1.V39
  05_SIG2 w0.092: 125.58,88.29 125.61,88.26 125.61,85.2 125.51,85.1 121.04,85.1 120.73,84.79 120.73,78.4 120.53,78.2 116.88,78.2 116.26,78.82 116.26,79.64 115.75,80.15 110.87,80.15 v2(110.47,80.55)
  05_SIG2 w0.133: 125.58,88.29 125.58,94.31 123.93,95.96 123.93,104.62 122.6,105.96 122.6,108.35 123,108.75 123,119.77 125.13,121.9 125.6,121.9 125.98,122.27 v3(126.32,122.27)
FMCP_HSPC_GBT0_1_P: length 65.2
  TOP w0.102: v3(126.32,121.38) 126.14,121.2 C208.2 ; 110.96,79.08 v2(110.47,79.57)
  05_SIG2 w0.092: v2(110.47,79.57) 110.47,79.88 110.56,79.97 115.67,79.97 116.08,79.56 116.08,78.74 116.81,78.02 120.6,78.02 120.91,78.33 120.91,84.72 121.11,84.92 125.59,84.92 125.79,85.12 125.79,88.23 125.86,88.29
  05_SIG2 w0.133: v3(126.32,121.38) 125.98,121.38 125.72,121.63 125.25,121.63 123.27,119.65 123.27,108.63 122.87,108.23 122.87,106.07 124.21,104.74 124.21,96.07 125.86,94.43 125.86,88.29
FMCP_HSPC_GBT1_0_C_N: length 2.8
  TOP w0.102: 124.63,112.8 124.19,112.36 123.99,112.36 123.57,112.78 123.35,112.78 123.1,113.02 122.25,113.02
FMCP_HSPC_GBT1_0_C_P: length 2.8
  TOP w0.102: 124.63,111.67 124.17,112.14 123.9,112.14 123.48,112.55 123.27,112.55 123.09,112.38 122.25,112.38
FMCP_HSPC_GBT1_0_N: length 43.8
  TOP w0.102: v2(121.3,80.55) 120.8,80.06 ; 125.62,112.8 v3(126.32,112.8)
  05_SIG2 w0.092: v2(121.3,80.55) 121.3,80.35 121.5,80.15 122.54,80.15 122.84,79.85 122.84,79.4 123.07,79.18 127.43,79.18 127.62,79.37 127.62,85.65 127.58,85.7 127.58,88.79 127.3,89.06 127.3,89.45 127.25,89.5 127.25,89.52
  05_SIG2 w0.133: 127.25,89.52 127.25,101.17 126.5,101.92 126.5,107.83 125.27,109.07 125.27,111.86 125.8,112.4 126.18,112.4 126.25,112.46 126.25,112.73 v3(126.32,112.8)
FMCP_HSPC_GBT1_0_P: length 43.8
  TOP w0.102: v2(121.3,79.57) 120.8,79.08 ; 125.62,111.67 v3(126.32,111.67)
  05_SIG2 w0.092: v2(121.3,79.57) 121.3,79.88 121.39,79.97 122.47,79.97 122.67,79.77 122.67,79.33 123,79 127.5,79 127.8,79.3 127.8,85.72 127.75,85.77 127.75,88.86 127.48,89.13 127.48,89.45 127.53,89.5 127.53,89.52
  05_SIG2 w0.133: v3(126.32,111.67) 126.32,111.99 126.18,112.12 125.92,112.12 125.54,111.75 125.54,109.19 126.78,107.95 126.78,102.04 127.53,101.29 127.53,89.52
FMCP_HSPC_GBT1_1_C_N: length 2.7
  TOP w0.102: 122.25,114.94 123.2,114.94 123.4,114.73 123.74,114.73 123.9,114.57 124.15,114.57 124.63,115.05
FMCP_HSPC_GBT1_1_C_P: length 2.7
  TOP w0.102: 122.25,114.3 123.2,114.3 123.4,114.51 123.64,114.51 123.8,114.35 124.21,114.35 124.63,113.92
FMCP_HSPC_GBT1_1_N: length 56.4
  TOP w0.102: 125.62,115.05 126.2,115.05 v3(126.32,114.94) ; v2(108.5,80.55) 108.99,80.06
  07_SIG3 w0.092: v2(108.5,80.55) 108.5,80.24 108.59,80.15 109.83,80.15 110.07,79.91 110.07,79.32 110.23,79.17 122.47,79.17 122.7,79.4 122.7,83.14 122.67,83.17 122.67,84.81 122.95,85.1 124.48,85.1 124.68,85.29 124.68,88.19 124.63,88.24 124.63,88.27
  07_SIG3 w0.133: 124.63,88.27 124.63,88.8 124.42,89.02 124.42,95.12 126.62,97.32 126.62,107.96 125.24,109.34 125.24,114.26 125.68,114.71 126.09,114.71 v3(126.32,114.94)
FMCP_HSPC_GBT1_1_P: length 56.4
  TOP w0.102: v2(108.5,79.57) 108.99,79.08 ; v3(126.32,114.04) 126.2,113.92 125.62,113.92
  07_SIG3 w0.092: v2(108.5,79.57) 108.5,79.88 108.59,79.97 109.76,79.97 109.89,79.84 109.89,79.25 110.15,78.99 122.55,78.99 122.88,79.33 122.88,83.21 122.84,83.25 122.84,84.73 123.03,84.92 124.55,84.92 124.85,85.22 124.85,88.19 124.9,88.24 124.9,88.27
  07_SIG3 w0.133: 124.9,88.27 124.9,88.92 124.69,89.13 124.69,95 126.89,97.21 126.89,108.07 125.51,109.45 125.51,114.15 125.8,114.43 126.04,114.43 126.32,114.16 v3(126.32,114.04)
FMCP_HSPC_GBT1_2_C_N: length 2.7
  TOP w0.102: 124.63,117.3 124.2,116.86 123.79,116.86 123.58,116.65 123.4,116.65 123.2,116.86 122.25,116.86
FMCP_HSPC_GBT1_2_C_P: length 2.8
  TOP w0.102: 124.63,116.17 124.17,116.64 123.88,116.64 123.67,116.43 123.4,116.43 123.2,116.22 122.25,116.22
FMCP_HSPC_GBT1_2_N: length 46.7
  TOP w0.102: v3(126.32,117.19) 126.2,117.3 125.62,117.3 ; v2(117.36,80.55) 116.87,80.06
  07_SIG3 w0.092: 122.45,88.71 122.43,88.69 122.43,88.62 121.68,87.87 121.68,80.29 121.54,80.15 117.45,80.15 117.36,80.24 v2(117.36,80.55)
  07_SIG3 w0.133: 122.45,88.71 123.47,89.73 123.47,96.29 125.06,97.88 125.06,99.3 125.64,99.88 125.64,107.78 124.15,109.27 124.15,115.87 125.21,116.92 126.05,116.92 v3(126.32,117.19)
FMCP_HSPC_GBT1_2_P: length 46.7
  TOP w0.102: 125.62,116.17 126.2,116.17 v3(126.32,116.29) ; v2(117.36,79.57) 116.87,79.08
  07_SIG3 w0.092: 122.64,88.51 122.63,88.5 122.56,88.5 121.86,87.8 121.86,80.21 121.62,79.97 117.45,79.97 117.36,79.88 v2(117.36,79.57)
  07_SIG3 w0.133: v3(126.32,116.29) 125.95,116.65 125.32,116.65 124.43,115.76 124.43,109.38 125.91,107.89 125.91,99.76 125.34,99.19 125.34,97.76 123.74,96.17 123.74,89.61 122.64,88.51
FMCP_HSPC_GBT1_3_C_N: length 2.1
  TOP w0.102: 116.5,116.22 115.92,116.22 115.71,116.43 115.49,116.43 115.3,116.62 115.2,116.62 114.76,116.17
FMCP_HSPC_GBT1_3_C_P: length 2.1
  TOP w0.102: 116.5,116.86 115.95,116.86 115.74,116.65 115.59,116.65 115.39,116.84 115.21,116.84 114.76,117.3
FMCP_HSPC_GBT1_3_N: length 41.3
  TOP w0.102: 112.93,80.06 v2(112.44,80.55) ; 113.77,116.17 v3(113.06,116.17)
  03_SIG1 w0.107: v2(112.44,80.55) 112.44,80.18 112.54,80.08 112.67,80.08 112.83,80.24 112.83,87.96 112.59,88.21 112.59,88.49 112.55,88.52 112.55,88.55
  03_SIG1 w0.133: v3(113.06,116.17) 113.06,116.69 113.19,116.81 113.54,116.81 113.66,116.69 113.66,111.18 113.22,110.74 113.22,105.55 111.54,103.87 111.54,102.38 112.29,101.64 112.29,95.69 112.55,95.43 112.55,88.55
FMCP_HSPC_GBT1_3_P: length 41.4
  TOP w0.102: 112.93,79.08 v2(112.44,79.57) ; 113.77,117.3 v3(113.06,117.3)
  03_SIG1 w0.107: 112.82,88.55 112.82,88.52 112.79,88.49 112.79,88.29 113.03,88.04 113.03,80.16 v2(112.44,79.57)
  03_SIG1 w0.133: v3(113.06,117.3) 113.28,117.09 113.65,117.09 113.93,116.8 113.93,111.06 113.5,110.63 113.5,105.44 111.82,103.76 111.82,102.49 112.56,101.75 112.56,95.8 112.82,95.54 112.82,88.55
FMCP_HSPC_GBT1_4_C_N: length 2
  TOP w0.102: 114.76,113.92 115.28,114.45 115.46,114.45 115.48,114.42 115.49,114.42 115.61,114.3 116.5,114.3
FMCP_HSPC_GBT1_4_C_P: length 2
  TOP w0.102: 114.76,115.05 115.13,114.67 115.39,114.67 115.65,114.94 116.5,114.94
FMCP_HSPC_GBT1_4_N: length 97
  TOP w0.102: 113.77,113.92 v3(113.06,113.92) ; v2(105.55,82.52) 106.04,82.03
  TOP w0.142: U1.N41 v2(134.09,75.63) ; 152.71,49.57 v1(152.32,49.17)
  03_SIG1 w0.107: 110.12,87.82 110.08,87.78 110.08,81.29 109.73,80.95 105.29,80.95 104.96,81.28 104.96,81.93 v2(105.55,82.52)
  03_SIG1 w0.133: 110.12,87.82 110.12,88.34 110.37,88.59 110.37,95.41 109.36,96.42 109.36,100.22 110.19,101.05 110.19,106.16 110.93,106.9 110.93,113.45 111.73,114.25 112.74,114.25 v3(113.06,113.92)
  14_SIG4 w0.105: 140.38,78.93 140.35,78.93 140.3,78.98 136.87,78.98 136.65,78.76 136.65,77.3 136.36,77.01 134.9,77.01 134.69,76.8 134.69,76.32 134.4,76.02 133.78,76.02 133.63,75.87 133.63,75.23 133.71,75.14 134.01,75.14 134.09,75.23 v2(134.09,75.63)
  14_SIG4 w0.106: 151.54,50.83 151.56,50.82 151.6,50.82 151.69,50.73 151.69,49.69 152.2,49.17 v1(152.32,49.17)
  14_SIG4 w0.138: 151.54,50.83 149.07,53.3 149.07,61.67 149.8,62.4 149.8,66.88 147.28,69.4 147.28,72.93 146.18,74.03 146.18,74.47 146.45,74.74 146.45,74.95 146.22,75.18 146.01,75.18 145.74,74.91 145.29,74.91 144.85,75.36 144.85,75.81 145.11,76.08 145.11,76.29 144.89,76.51 144.67,76.51 144.41,76.25 143.95,76.25 143.51,76.69 143.51,77.15 143.77,77.41 143.77,77.63 143.55,77.85 143.33,77.85 143.07,77.59 142.61,77.59 142.17,78.03 142.17,78.49 142.54,78.86 142.54,79.05 142.32,79.27 142.08,79.27 141.74,78.93 140.38,78.93
FMCP_HSPC_GBT1_4_P: length 44.3
  TOP w0.102: 113.77,115.05 v3(113.06,115.05) ; v2(105.55,81.54) 106.04,81.05
  03_SIG1 w0.107: v2(105.55,81.54) 105.55,81.89 105.43,82.01 105.32,82.01 105.16,81.85 105.16,81.36 105.38,81.15 109.65,81.15 109.88,81.38 109.88,87.78 109.84,87.82
  03_SIG1 w0.133: 109.84,87.82 109.84,88.46 110.09,88.71 110.09,95.29 109.08,96.3 109.08,100.33 109.92,101.17 109.92,106.27 110.65,107.01 110.65,113.57 111.61,114.52 112.91,114.52 113.06,114.67 v3(113.06,115.05)
FMCP_HSPC_GBT1_5_C_N: length 2.4
  TOP w0.102: 116.5,112.38 115.91,112.38 115.69,112.6 115.58,112.6 115.51,112.53 115.51,112.33 115.31,112.12 115.16,112.12 114.76,111.72 114.76,111.67
FMCP_HSPC_GBT1_5_C_P: length 2.4
  TOP w0.102: 114.76,112.8 114.76,112.71 115.11,112.35 115.22,112.35 115.29,112.42 115.29,112.62 115.49,112.83 115.69,112.83 115.88,113.02 116.5,113.02
FMCP_HSPC_GBT1_5_N: length 50.9
  TOP w0.102: v2(125.23,80.55) 124.74,80.06 ; v3(113.06,111.73) 113.11,111.67 113.77,111.67
  03_SIG1 w0.107: v2(125.23,80.55) 125.23,80.26 125.14,80.16 116.54,80.16 115.55,79.18 112.28,79.18 112.05,79.41 112.05,87.74 111.69,88.09 111.69,88.23 111.73,88.26 111.73,88.29
  03_SIG1 w0.133: v3(113.06,111.73) 113.06,112.06 112.88,112.24 112.02,112.24 111.84,112.06 111.84,105.43 111.02,104.61 111.02,96.14 111.73,95.44 111.73,89.48 111.86,89.35 111.91,89.35 112.04,89.21 112.04,88.95 111.91,88.82 111.86,88.82 111.73,88.68 111.73,88.29
FMCP_HSPC_GBT1_5_P: length 50.9
  TOP w0.102: v3(113.06,112.85) 113.11,112.8 113.77,112.8 ; v2(125.23,79.57) 124.74,79.08
  03_SIG1 w0.107: 111.45,88.29 111.45,88.26 111.49,88.23 111.49,88.01 111.85,87.65 111.85,79.32 112.19,78.98 115.64,78.98 116.62,79.96 124.84,79.96 v2(125.23,79.57)
  03_SIG1 w0.133: v3(113.06,112.85) 112.72,112.52 111.91,112.52 111.57,112.18 111.57,105.54 110.75,104.72 110.75,96.03 111.45,95.33 111.45,88.29
FMCP_HSPC_GBTCLK0_M2C_C_N: length 6.3
  TOP w0.102: 116.59,121.2 115.9,121.2 115.45,120.75 115.45,120.5 115.4,120.45 114.78,120.45 114.25,119.92 113.68,119.92 113.6,119.99 113.6,120.17 114.02,120.59 114.02,120.62 113.65,120.99 113.65,121.79 113.72,121.86 114.15,121.86
FMCP_HSPC_GBTCLK0_M2C_C_P: length 6.3
  TOP w0.102: 116.59,119.95 115.88,119.95 115.6,120.22 114.87,120.22 114.34,119.69 113.58,119.69 113.38,119.9 113.38,120.17 113.03,120.52 113.03,120.62 113.43,121.02 113.43,121.72 113.29,121.86 112.9,121.86
FMCP_HSPC_GBTCLK0_M2C_N: length 61.5
  TOP w0.102: J22.D5 v3(100.25,159.5) ; 114.15,122.84 v3(114.15,123.67)
  05_SIG2 w0.133: v3(100.25,159.5) 100.77,159.5 100.94,159.33 100.94,159.15 100.8,159.01 91.19,159.01 90.75,158.57 90.75,151.57 98.67,143.65 99.99,143.65 113.04,130.61 113.04,126.42 114.7,124.76 114.7,123.42 114.3,123.02 113.58,123.02 113.5,123.11 113.5,123.55 113.7,123.75 114.07,123.75 v3(114.15,123.67)
FMCP_HSPC_GBTCLK0_M2C_P: length 61.6
  TOP w0.102: 112.9,122.84 v3(112.9,123.67) ; J22.D4 v3(101.5,159.5)
  05_SIG2 w0.133: v3(101.5,159.5) 101.5,159.29 100.95,158.74 91.3,158.74 91.02,158.46 91.02,151.69 98.78,143.93 100.11,143.93 113.31,130.72 113.31,126.54 114.97,124.88 114.97,123.31 114.41,122.75 113.47,122.75 113.22,122.99 113.22,123.47 113.03,123.67 v3(112.9,123.67)
FMCP_HSPC_GBTCLK1_M2C_C_N: length 4
  TOP w0.102: 125.51,109.11 125.01,109.61 124.69,109.61 124.34,109.26 123.93,109.67 123.56,109.67 123.2,110.03 123.03,110.03 122.82,109.82 122.25,109.82
FMCP_HSPC_GBTCLK1_M2C_C_P: length 4
  TOP w0.102: 125.51,110.24 125.11,109.83 124.75,109.83 124.34,110.25 123.98,109.89 123.65,109.89 123.29,110.25 123.02,110.25 122.81,110.46 122.25,110.46
FMCP_HSPC_GBTCLK1_M2C_N: length 91
  TOP w0.102: 126.49,109.11 v3(127.19,109.11) ; J22.B21 v3(80.25,157)
  14_SIG4 w0.087: v3(80.25,157) 80.74,156.51 80.74,151.02 83.64,148.12 113.27,148.12 118.75,142.65 121.46,142.65 121.84,143.02 122.78,143.02 123.29,142.51 123.29,140.64 126.04,137.9 126.04,132.95 124.65,131.57 124.65,126.45 125.07,126.03 125.07,110.14 125.68,109.53 126.78,109.53 v3(127.19,109.11)
FMCP_HSPC_GBTCLK1_M2C_P: length 91
  TOP w0.102: 126.49,110.24 v3(127.19,110.24) ; J22.B20 v3(81.5,157)
  14_SIG4 w0.087: v3(81.5,157) 81.3,157.2 81.15,157.2 81.01,157.06 81.01,151.14 83.75,148.4 113.39,148.4 118.87,142.92 121.35,142.92 121.72,143.29 122.9,143.29 123.57,142.62 123.57,140.76 126.31,138.01 126.31,132.84 124.92,131.45 124.92,126.56 125.35,126.14 125.35,110.25 125.8,109.8 126.76,109.8 v3(127.19,110.24)
FMCP_HSPC_GBTCLK2_M2C_C_P: length 24.2
  TOP w0.102: 116.17,98.43 v3(116.17,97.68) ; v2(119.33,79.57) 118.84,79.08
  05_SIG2 w0.107: 118.22,88.26 118.2,88.25 118.2,88.19 117.74,87.74 117.74,86.3 117.53,86.08 116.96,86.08 116.59,85.7 116.59,81.35 116.99,80.95 117.57,80.95 117.75,80.77 117.75,80.21 118,79.96 119.22,79.96 119.33,79.85 v2(119.33,79.57)
  05_SIG2 w0.133: 118.22,88.26 118.55,88.6 118.55,95.17 116.86,96.86 116.86,97.5 116.68,97.68 v3(116.17,97.68)
FMCP_HSPC_GBTCLK2_M2C_N: length 97.1
  TOP w0.102: J22.L13 v3(90.25,168.25) ; 117.7,99.42 v3(117.7,100.17)
  07_SIG3 w0.133: v3(90.25,168.25) 91.05,169.05 91.9,169.05 92.26,168.69 92.26,152.47 93.74,151 99.32,151 100.37,149.95 111.95,149.95 119.17,142.73 119.17,140.34 121.29,138.22 121.29,133.68 120.45,132.84 120.45,109.08 119.94,108.57 119.94,103.38 117.02,100.46 117.02,100.34 117.19,100.17 v3(117.7,100.17)
FMCP_HSPC_GBTCLK2_M2C_P: length 96.6
  TOP w0.102: 116.17,99.42 v3(116.17,100.17) ; J22.L12 v3(91.5,168.25)
  07_SIG3 w0.133: v3(116.17,100.17) 116.57,100.17 116.74,100.34 116.74,100.57 119.66,103.49 119.66,108.68 120.18,109.2 120.18,132.95 121.02,133.79 121.02,138.11 118.89,140.23 118.89,142.62 111.84,149.68 100.26,149.68 99.21,150.73 93.62,150.73 91.99,152.36 91.99,168.58 91.79,168.77 91.16,168.77 90.87,168.48 90.87,168.27 91.01,168.14 91.38,168.14 v3(91.5,168.25)
FMCP_HSPC_GBTCLK3_M2C_C_N: length 24.8
  TOP w0.102: v3(113.12,96.43) 112.68,96.43 112.47,96.64 112.47,98.33 112.58,98.43 113.12,98.43 ; 114.9,80.06 v2(114.41,80.55)
  07_SIG3 w0.092: 111.08,88.52 111.08,88.49 111.03,88.45 111.03,80.33 111.21,80.15 114.31,80.15 114.41,80.24 v2(114.41,80.55)
  07_SIG3 w0.133: 111.08,88.52 111.08,94.6 112.53,96.05 112.53,96.3 112.67,96.43 v3(113.12,96.43)
FMCP_HSPC_GBTCLK3_M2C_C_P: length 24.8
  TOP w0.102: v3(111.72,96.43) 112.04,96.43 112.25,96.64 112.25,98.33 112.14,98.43 111.6,98.43 ; 114.9,79.08 v2(114.41,79.57)
  07_SIG3 w0.092: v2(114.41,79.57) 114,79.97 111.14,79.97 110.85,80.26 110.85,88.44 110.8,88.49 110.8,88.52
  07_SIG3 w0.133: v3(111.72,96.43) 112.12,96.43 112.26,96.3 112.26,96.17 110.8,94.71 110.8,88.52
FMCP_HSPC_GBTCLK3_M2C_N: length 97.6
  TOP w0.102: v3(113.09,101.62) 112.6,101.62 112.47,101.5 112.47,99.52 112.58,99.42 113.12,99.42 ; J22.L9 v3(95.25,168.25)
  05_SIG2 w0.133: v3(95.25,168.25) 95.55,168.25 95.73,168.07 95.73,166.78 95.48,166.53 87.42,166.53 87,166.11 87,152.1 92.66,146.44 92.66,143.92 95.65,140.93 99.58,140.93 110.82,129.69 110.82,119.02 111.81,118.03 111.81,111.29 112.3,110.8 113.15,110.8 113.28,110.67 113.28,109.54 114.09,108.74 114.09,107.2 113,106.12 113,105.4 112.81,105.22 112.81,102.72 113.73,101.81 113.73,101.16 113.55,100.99 112.48,100.99 112.35,101.12 112.35,101.49 112.48,101.62 v3(113.09,101.62)
FMCP_HSPC_GBTCLK3_M2C_P: length 97.6
  TOP w0.102: v3(111.62,101.6) 111.58,101.55 111.58,101.44 112.25,100.77 112.25,99.52 112.14,99.42 111.6,99.42 ; J22.L8 v3(96.5,168.25)
  05_SIG2 w0.133: v3(111.62,101.6) 111.89,101.33 111.89,101.12 112.3,100.71 113.67,100.71 114,101.05 114,101.92 113.09,102.83 113.09,105.1 113.28,105.29 113.28,106 114.36,107.09 114.36,108.85 113.55,109.66 113.55,110.78 113.26,111.08 112.41,111.08 112.08,111.4 112.08,118.14 111.09,119.13 111.09,129.8 99.7,141.2 95.77,141.2 92.93,144.03 92.93,146.55 87.28,152.21 87.28,165.99 87.54,166.26 95.59,166.26 96,166.67 96,167.75 v3(96.5,168.25)
FMCP_HSPC_GBTCLK4_M2C_C_N: length 19.8
  TOP w0.102: v3(107.02,96.43) 106.47,96.43 106.37,96.54 106.37,98.33 106.47,98.43 107.02,98.43 ; v2(107.52,82.52) 108.01,82.03
  03_SIG1 w0.107: v2(107.52,82.52) 107.52,82.24 107.41,82.13 107.24,82.13 107.12,82.25 107.12,87.93 107.16,87.97 107.16,87.99
  03_SIG1 w0.133: v3(107.02,96.43) 106.59,96.43 106.23,96.06 106.23,91.26 107.16,90.32 107.16,87.99
FMCP_HSPC_GBTCLK4_M2C_C_P: length 19.8
  TOP w0.102: v3(105.5,96.43) 106.05,96.43 106.15,96.54 106.15,98.33 106.05,98.43 105.5,98.43 ; v2(107.52,81.54) 108.01,81.05
  03_SIG1 w0.107: v2(107.52,81.54) 107.52,81.82 107.41,81.93 107.16,81.93 106.92,82.17 106.92,87.93 106.89,87.97 106.89,87.99
  03_SIG1 w0.133: v3(105.5,96.43) 105.95,95.98 105.95,91.15 106.89,90.21 106.89,87.99
